# Altium PCB PCB4191.PcbDoc (part 1 of 4)
Units mm, origin at the board's own origin, x right, y up, seen from the top; angles counter-clockwise.
Board outline 160 x 160 mm, 6 copper layers (Top Layer, IM1 RIS, IM2 Signal, IM3 Signal, IM4 GND, Bottom Layer), stack 1.582 mm thick; 143 components, 121 nets, 430 pads, 4983 vias.
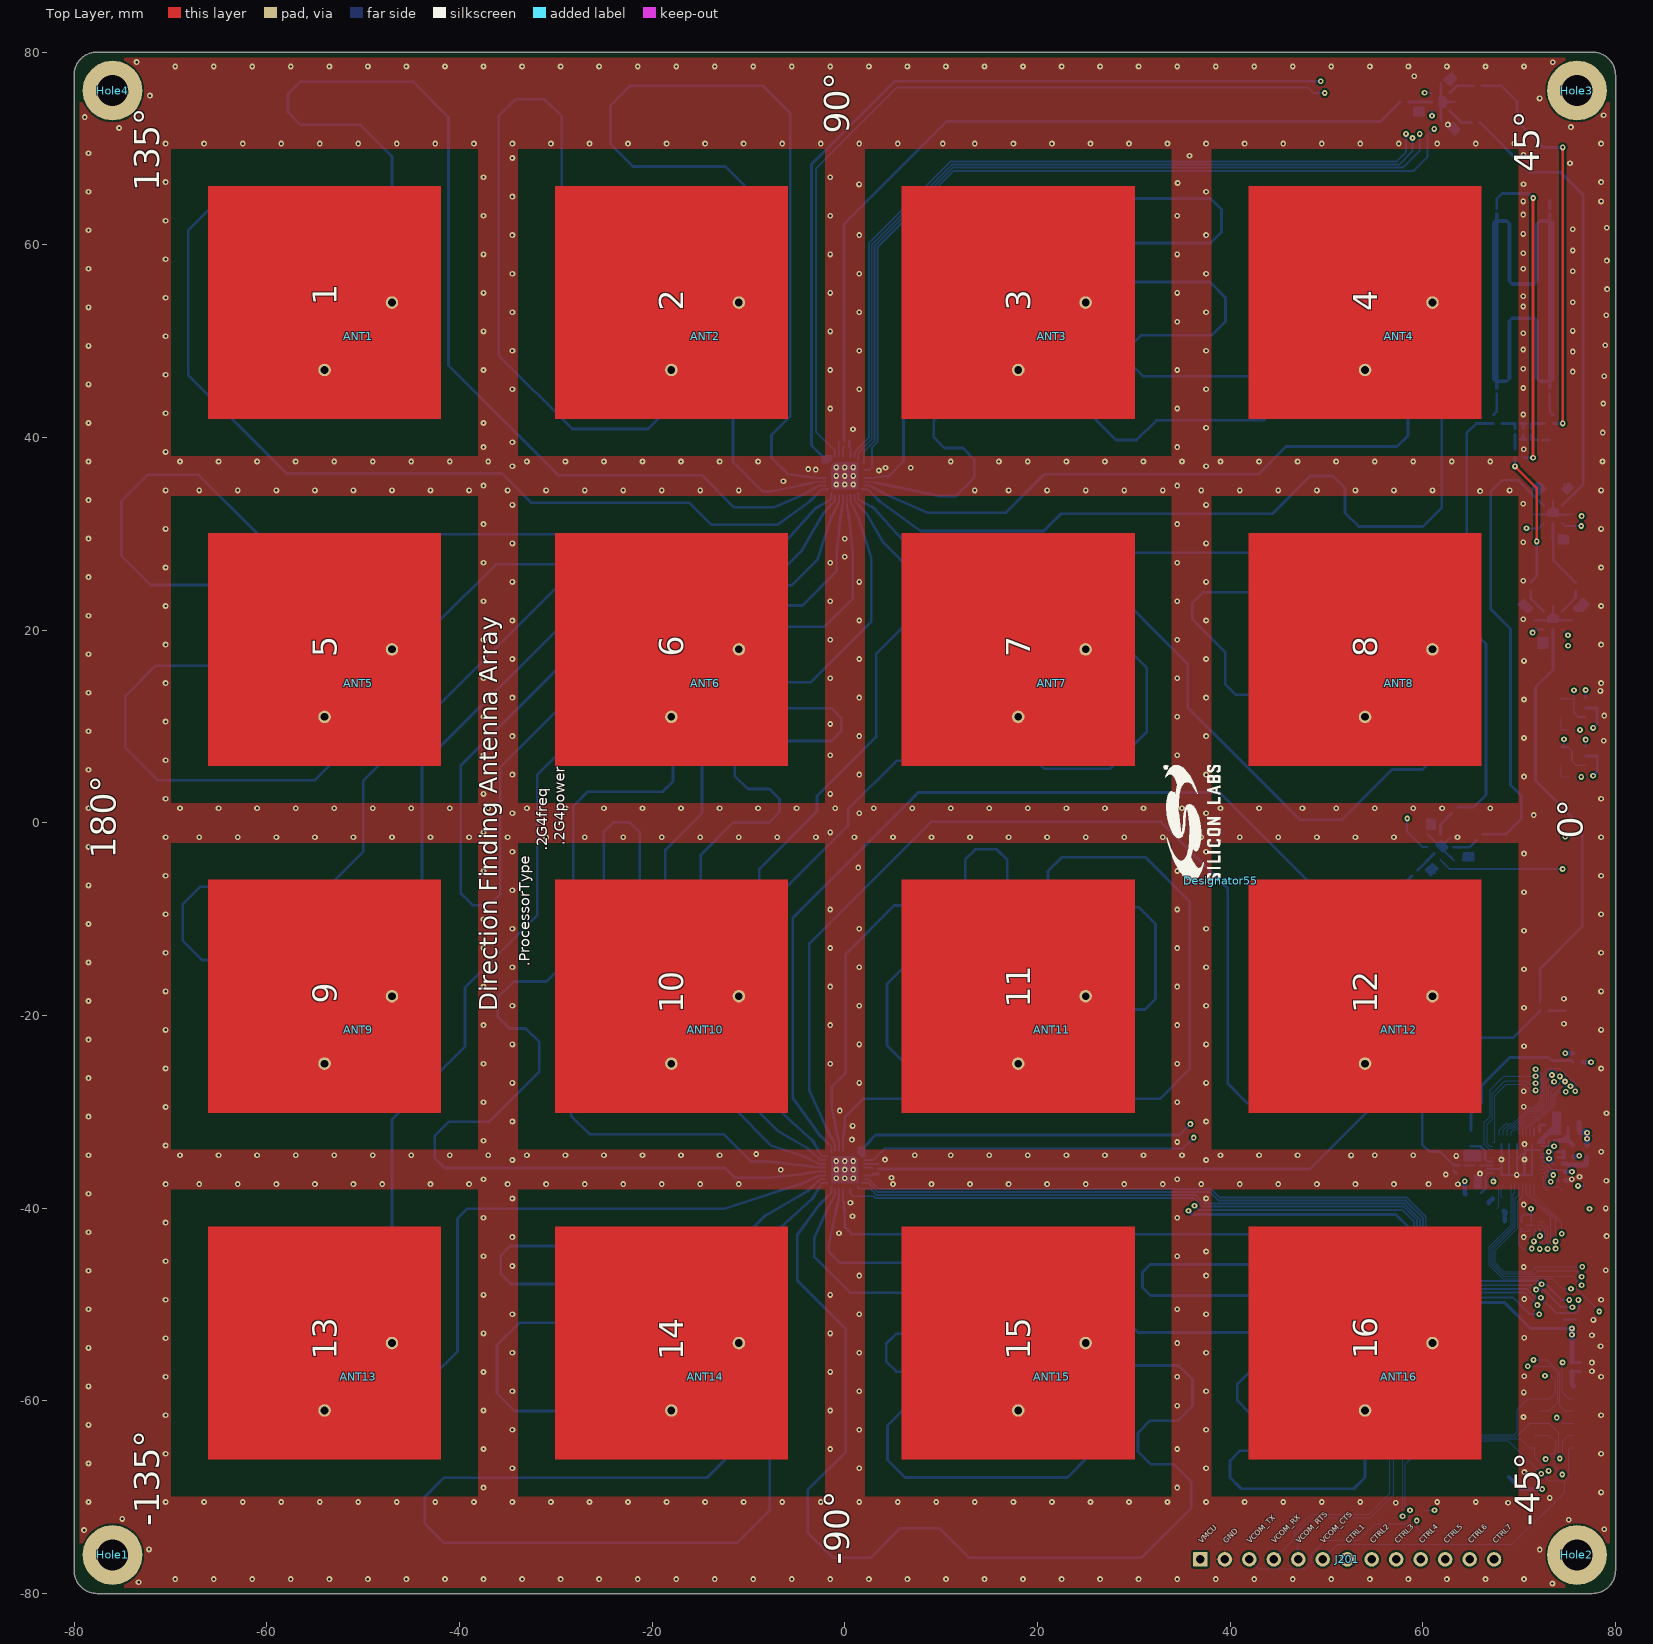
[diagram p0: Top Layer view]
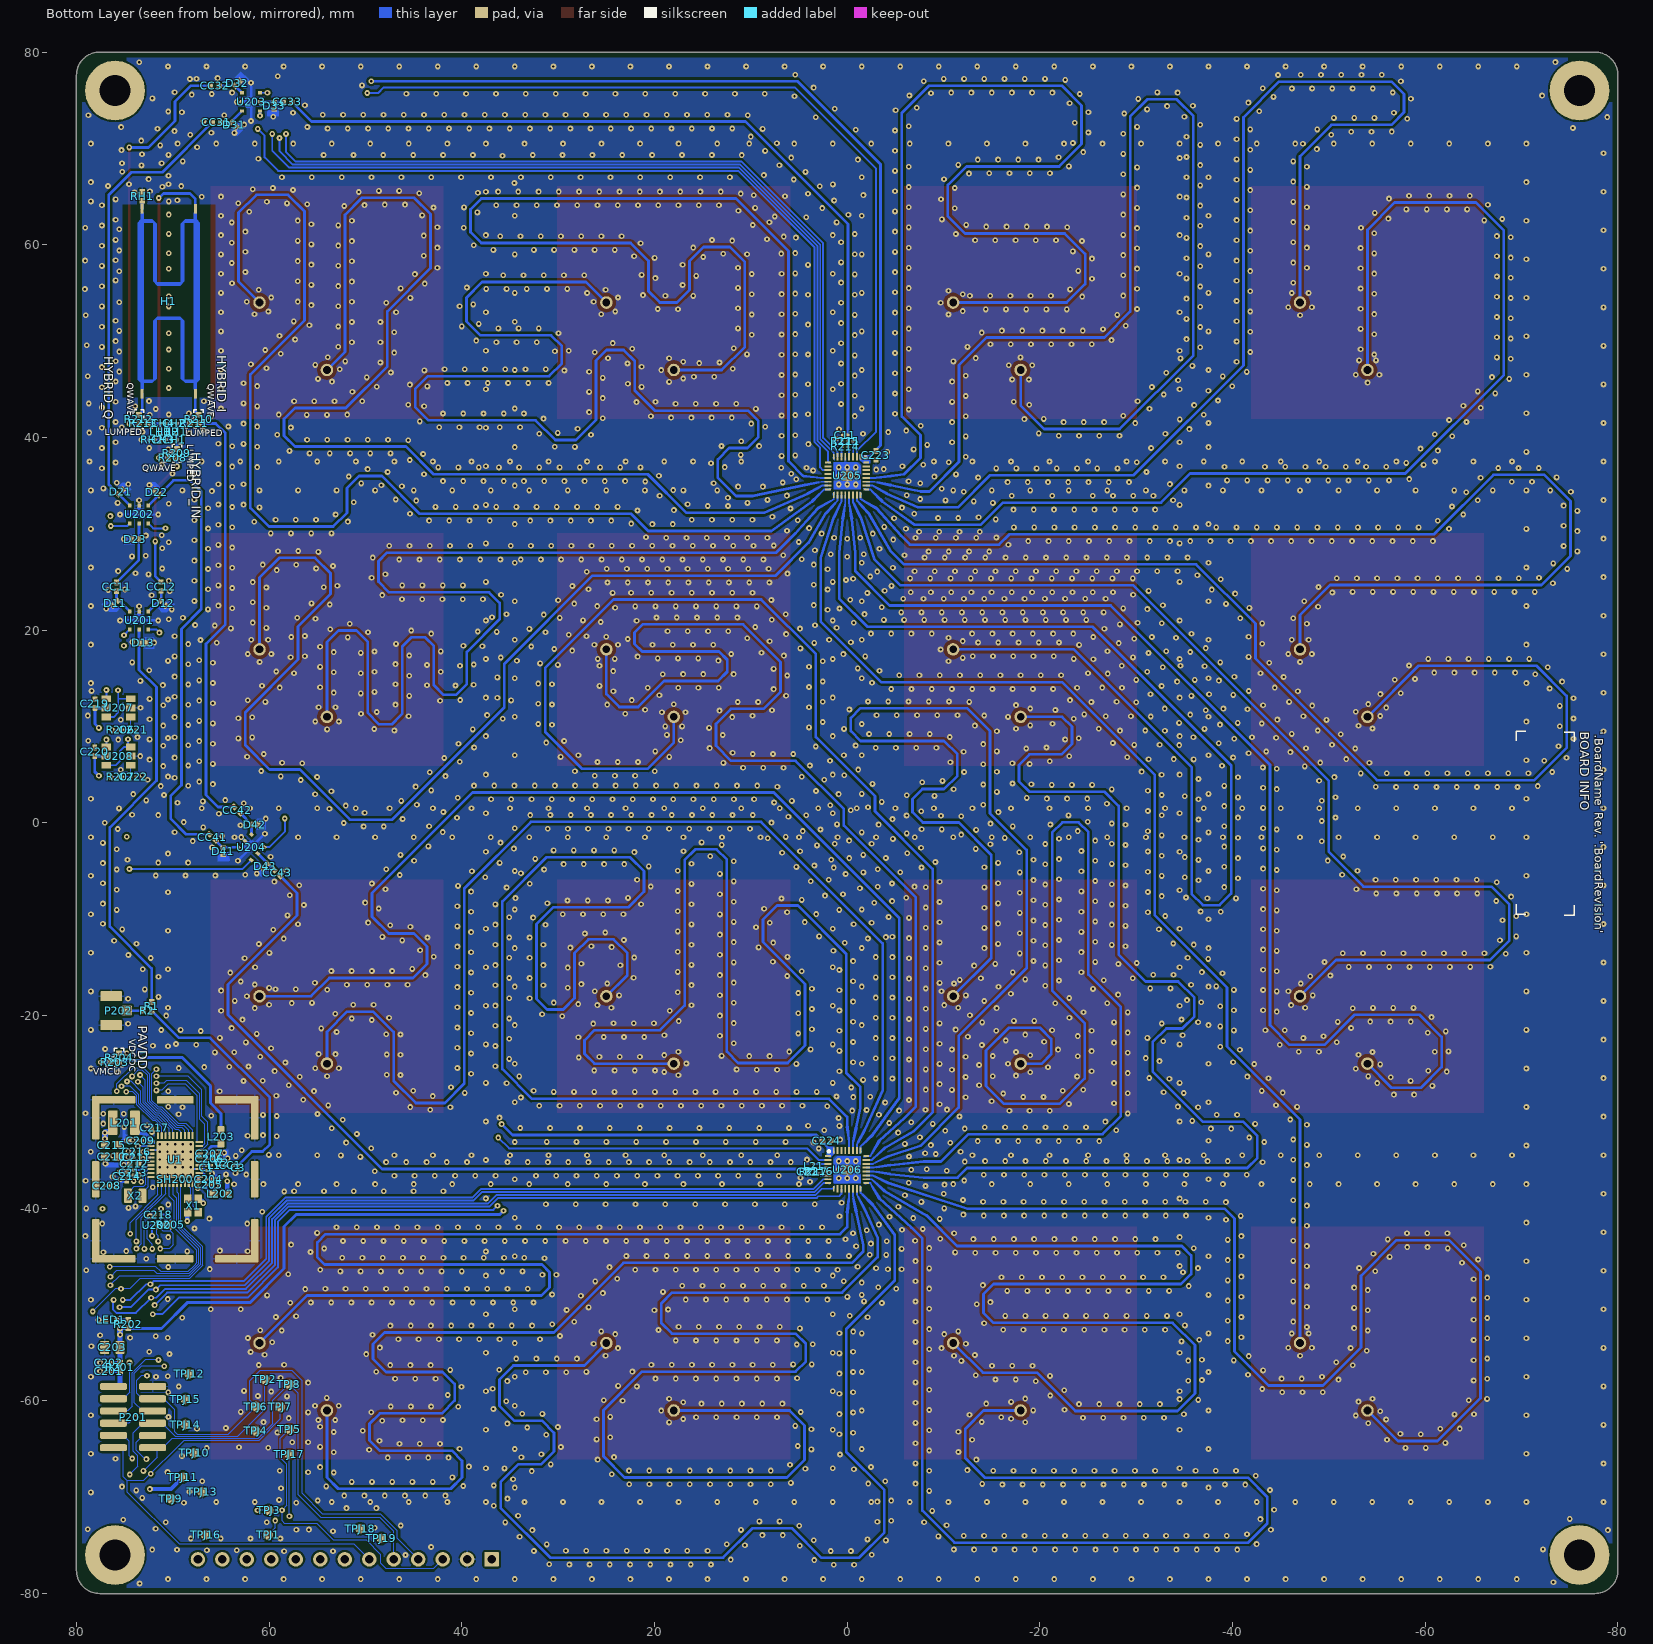
[diagram p1: Bottom Layer view, seen from below]
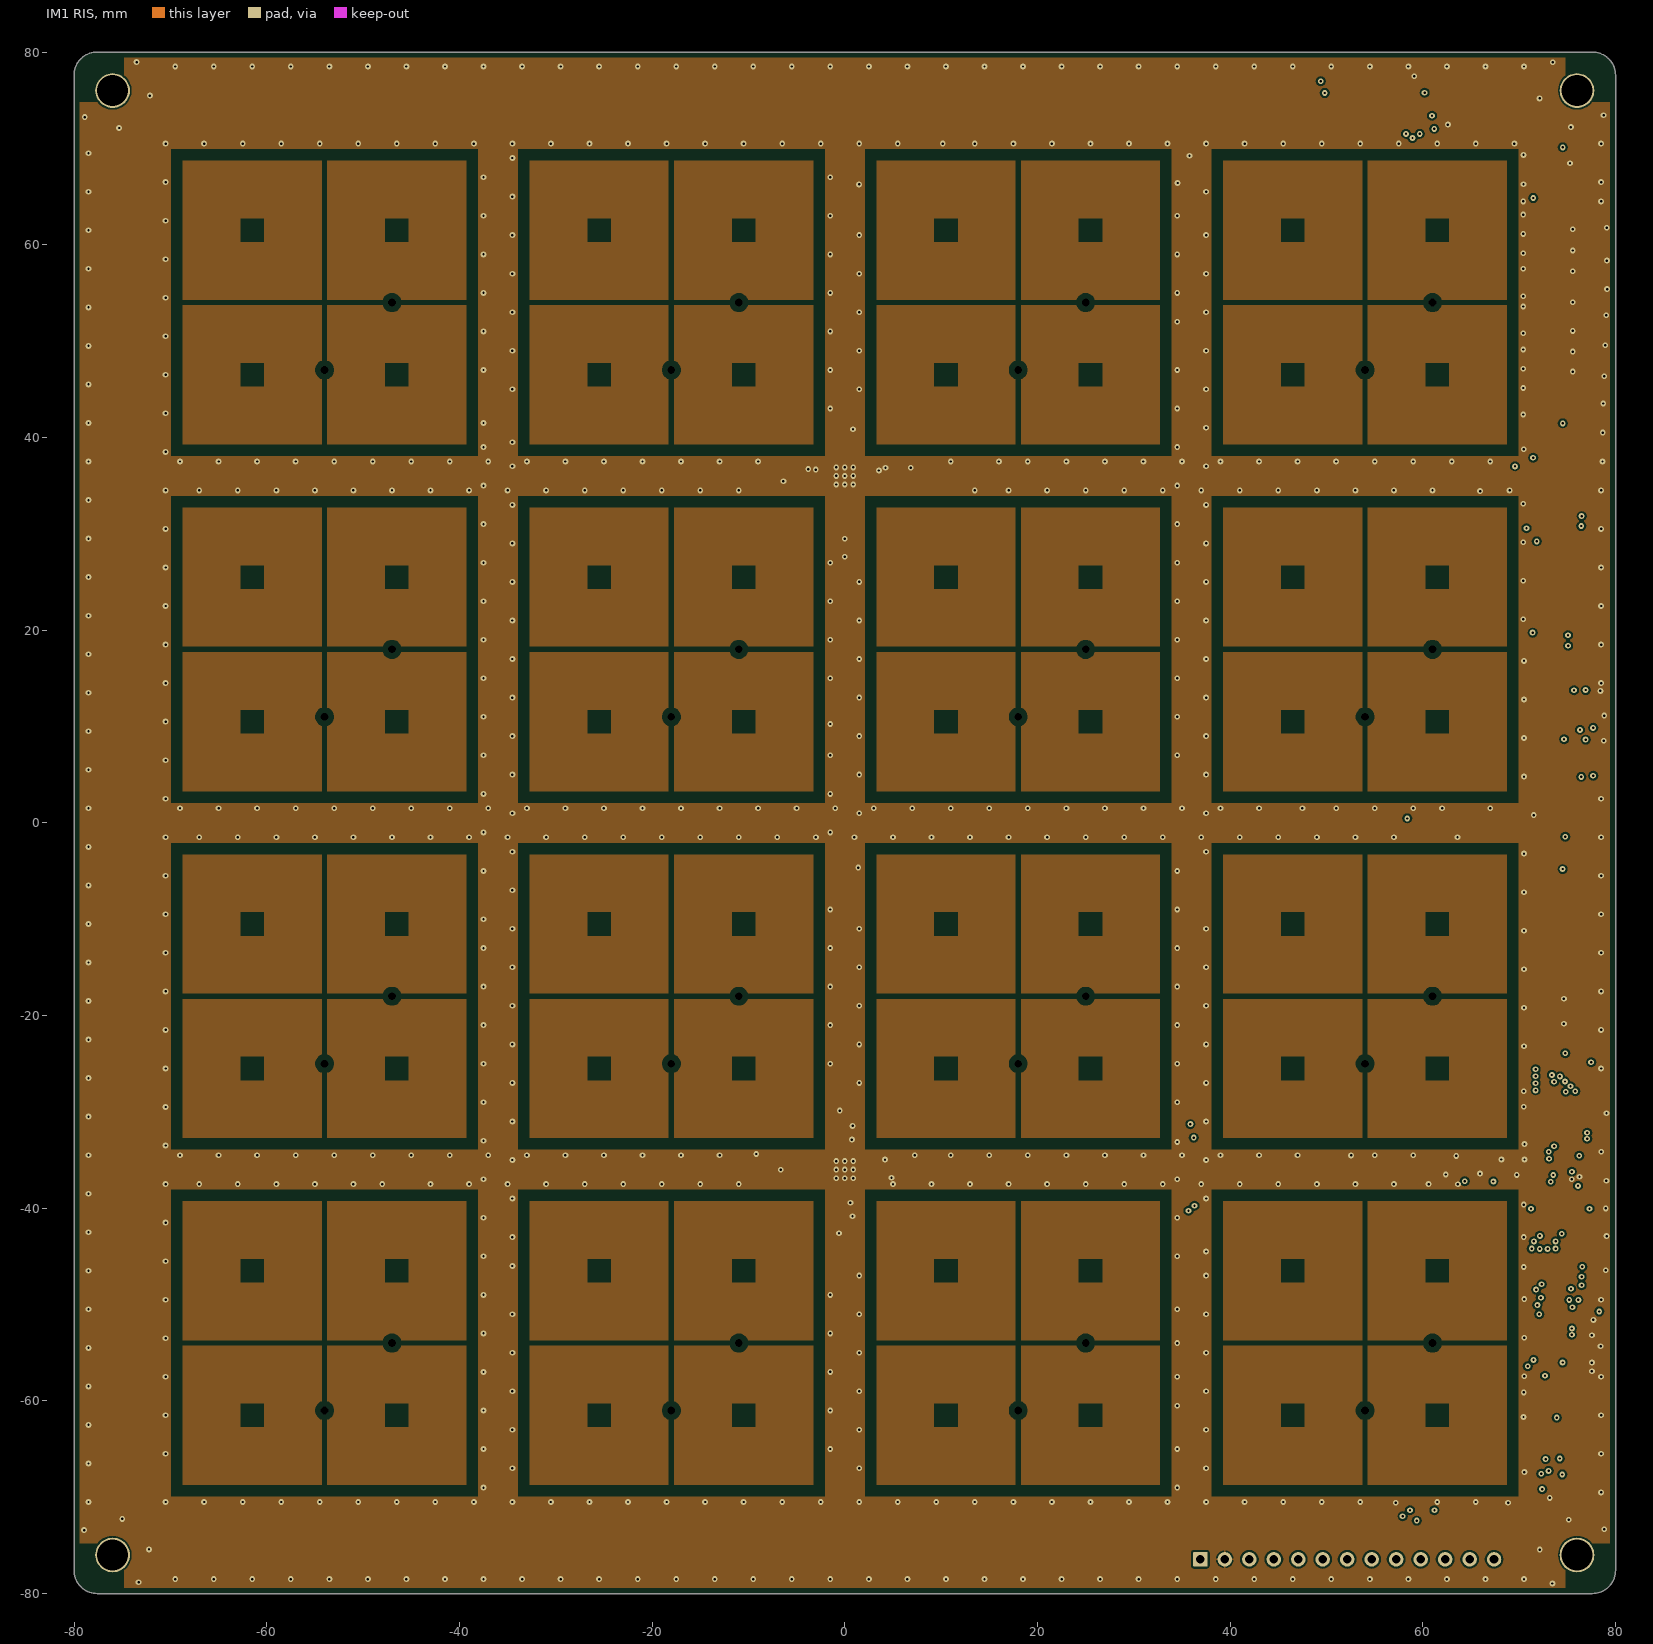
[diagram p2: IM1 RIS]
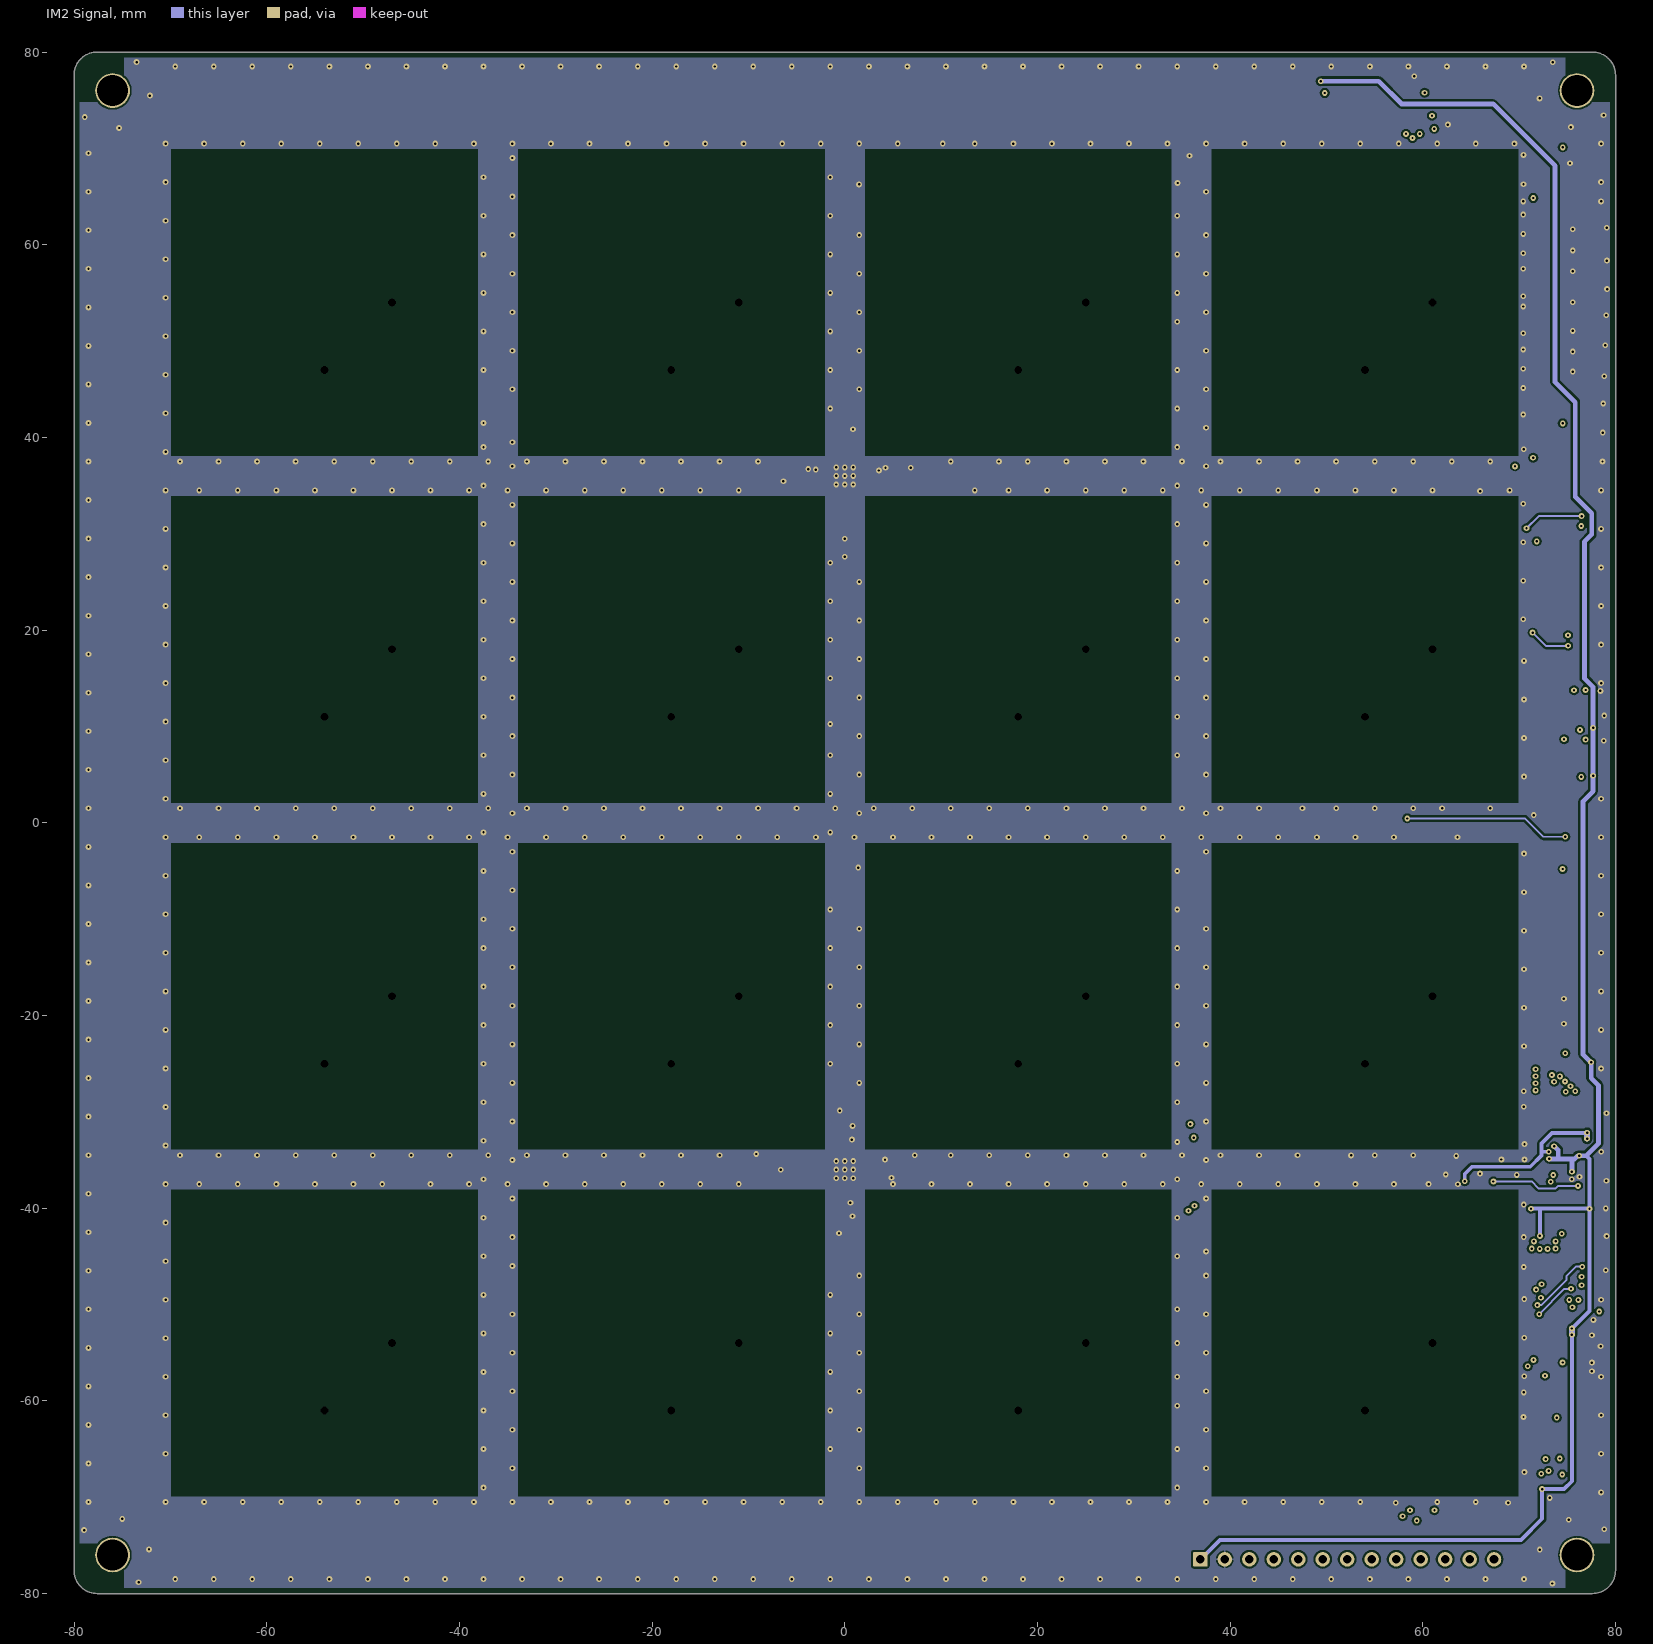
[diagram p3: IM2 Signal]
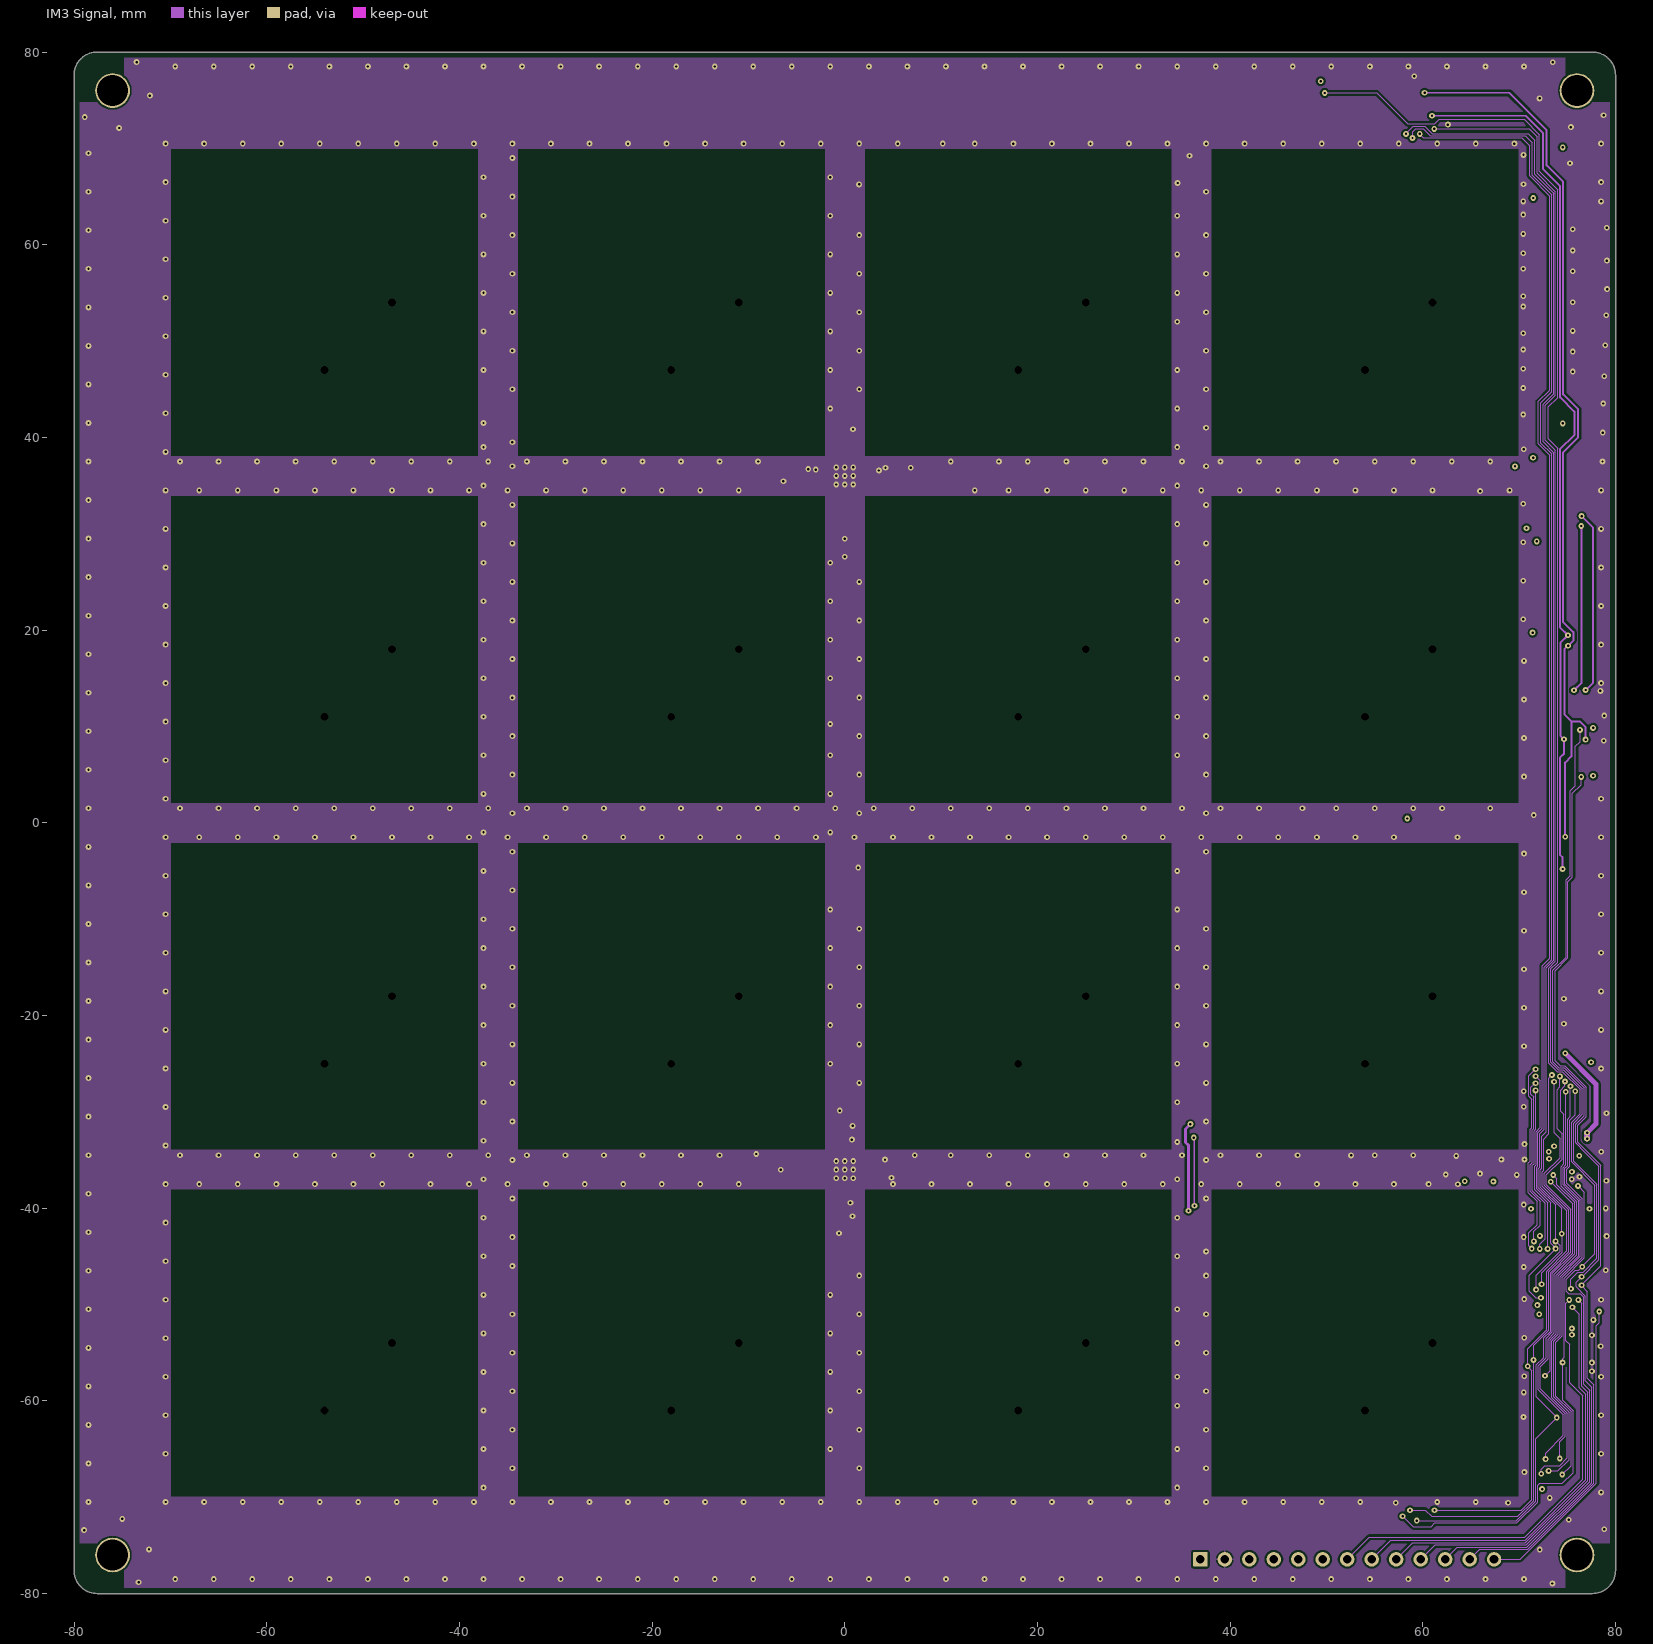
[diagram p4: IM3 Signal]
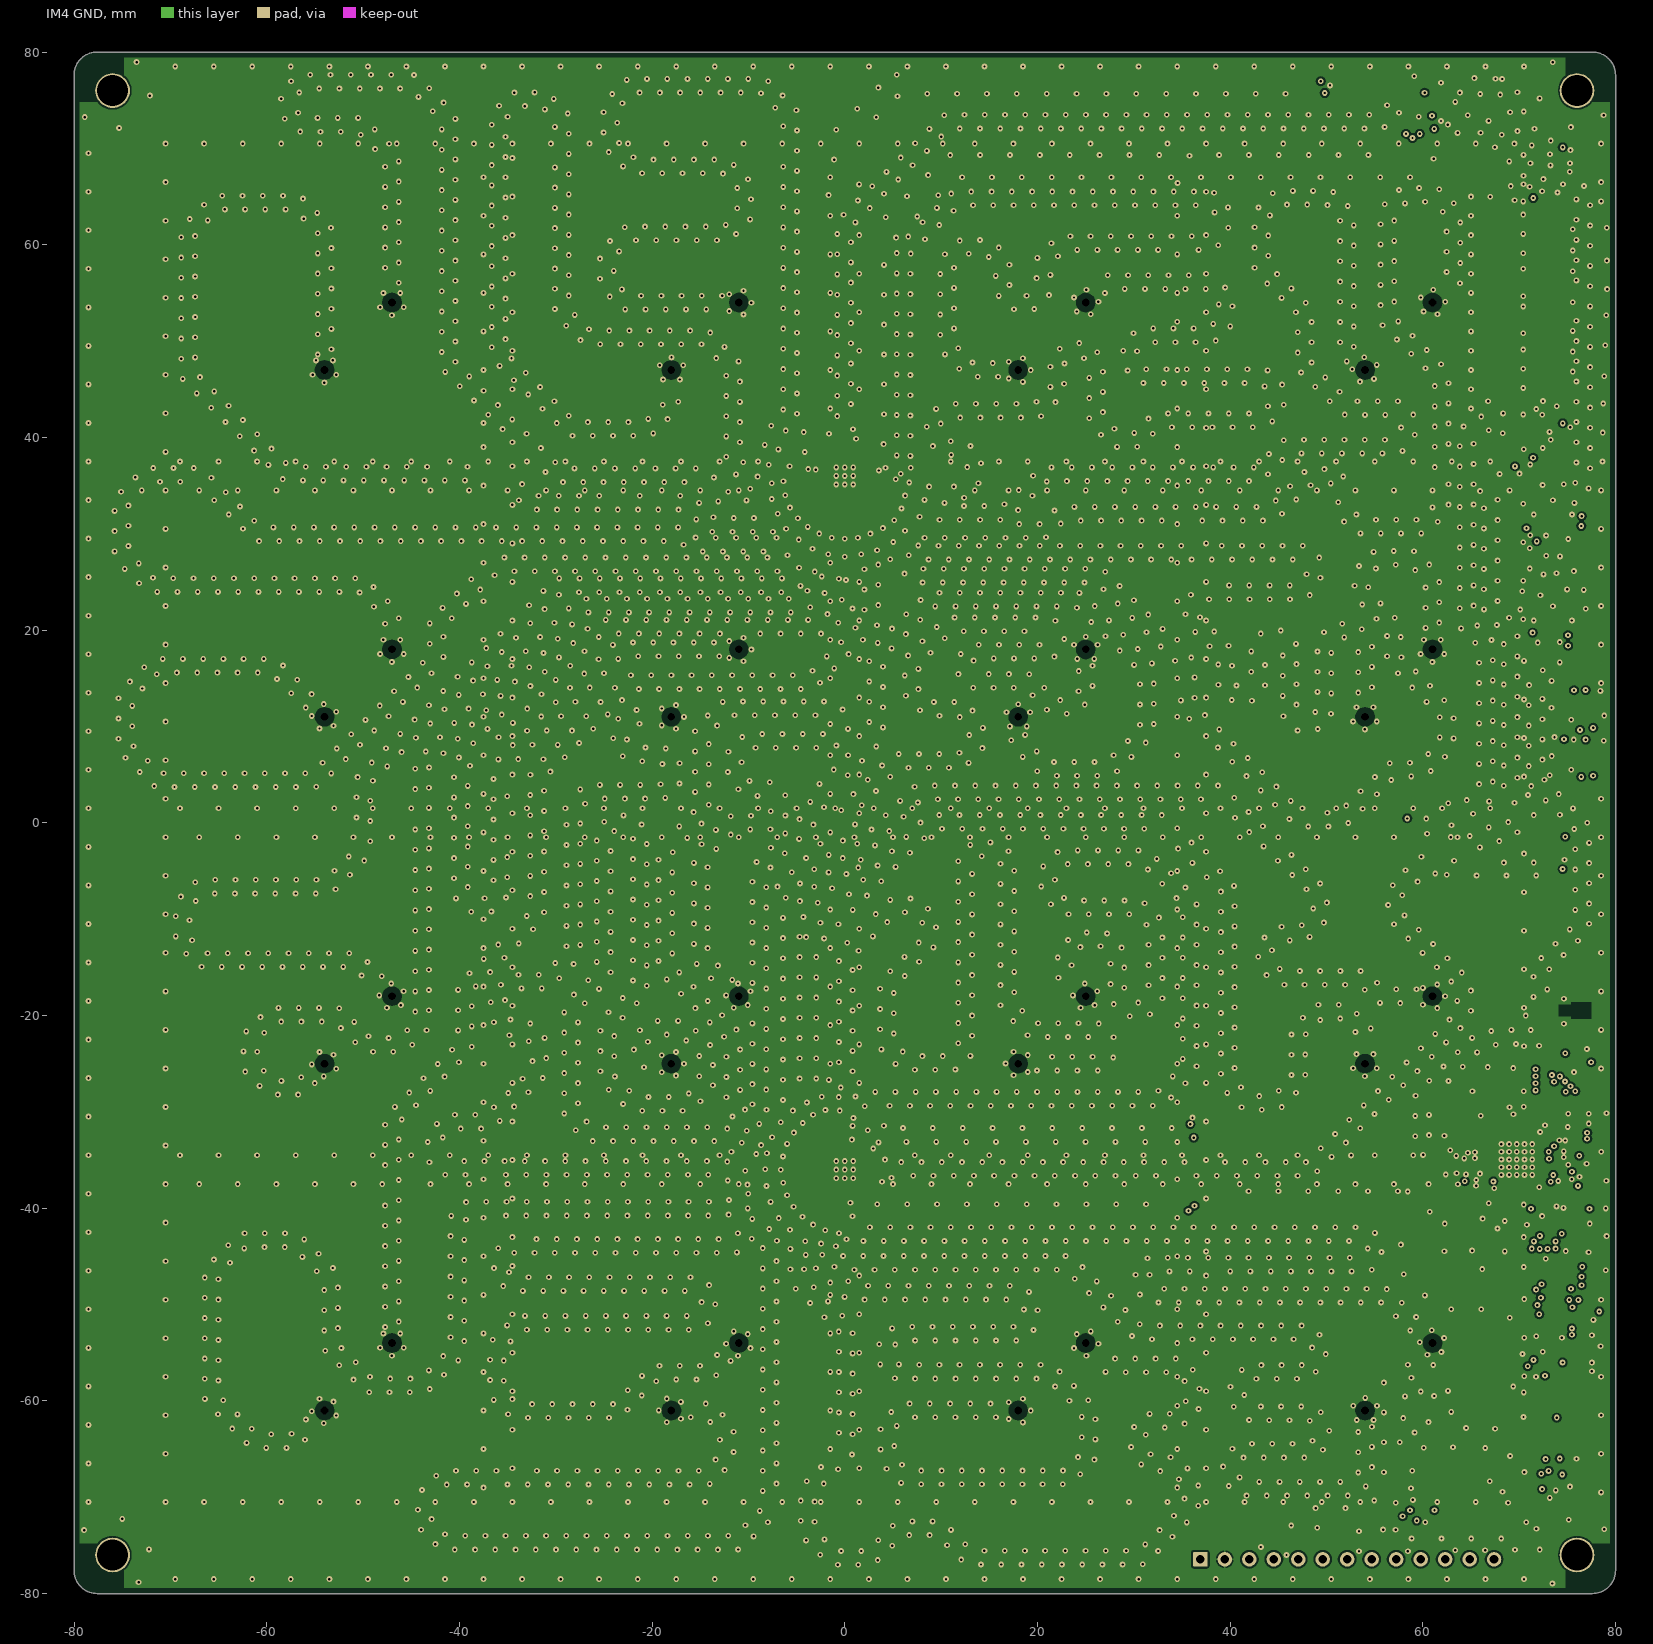
[diagram p5: IM4 GND]

## Layer stack, top to bottom
Top Solder: solder mask 0.0102, Solder Resist, Dk 3.5
Top Layer: signal copper 0.035
Dielectric 1: core 0.2, FR-4, Dk 4.4
IM1 RIS: signal copper 0.018
Dielectric 5: prepreg 0.42, Dk 4.2
IM2 Signal: signal copper 0.018
Dielectric 4: core 0.2, Dk 4.2
IM3 Signal: signal copper 0.018
Dielectric 3: prepreg 0.42, Dk 4.2
IM4 GND: signal copper 0.018
Dielectric 2: core 0.2, Dk 4.2
Bottom Layer: signal copper 0.035
Bottom Solder: solder mask 0.0102, Solder Resist, Dk 3.5

## Board outline
-80,-77.6 -80,77.6 cw(c-77.6,77.6) -77.6,80 77.6,80 cw(c77.6,77.6) 80,77.6 80,-77.6 cw(c77.6,-77.6) 77.6,-80 -77.6,-80 cw(c-77.6,-77.6)

## Design rules (kind name [scope] priority, off if disabled: settings)
AcuteAngle [All] p1: minimum=7.00000000000000E+0001 checktracksonly=FALSE
BoardOutlineClearance [All] p1: gap=0.6
Clearance Clearance_50Ohm [InNet('*ANT_*') vs InNet('GND')] p1: gap=0.2 except(0.23: Track-Poly)
Clearance Clearance_to_Holes [InPadClass('NPTH')] p2: gap=0.254
Clearance Clerance_Polygon [InPolygon] p3: gap=0.2 except(0.23: Track-Poly)
Clearance Clearance_General [All] p4: gap=0.1 except(0.23: Track-Poly)
HoleSize [All] p1: absolutevalues=TRUE maxlimit=5 minlimit=0.025 maxpercent=80.000 minpercent=20.000
HoleToHoleClearance HoleToHoleClearance_ANT1toPAD [Incomponent ('ANT1') vs ISpad] p1: gap=0 allowstackedmicrovias=TRUE
HoleToHoleClearance HoleToHoleClearance_R1toR2_1 [Incomponent ('R1') vs Incomponent ('R2')] p2: gap=0 allowstackedmicrovias=TRUE
HoleToHoleClearance HoleToHoleClearance_U1toVIA_1 [InComponent ('U1') vs IsVia] p3: gap=0 allowstackedmicrovias=TRUE
HoleToHoleClearance [All] p4: gap=0.254 allowstackedmicrovias=TRUE
MinimumSolderMaskSliver [All] p1: minsoldermaskwidth=0.102
PolygonConnect Polygon_VIA_Connect [IsVia] p1: connectstyle=Direct reliefconductorwidth=0.254 reliefentries=4 polygonreliefangle="90 Angle" airgapwidth=0.254
PolygonConnect PolygonConnect_SH100 [InComponent('SH100')] p2: connectstyle=Direct reliefconductorwidth=0.254 reliefentries=4 polygonreliefangle="90 Angle" airgapwidth=0.127
PolygonConnect [All] p3: connectstyle=Relief reliefconductorwidth=0.2 reliefentries=4 polygonreliefangle="90 Angle" airgapwidth=0.15
RoutingVias [All] p1: holewidth=0.3 width=0.65 viastyle="Through Hole" minholewidth=0.25 minwidth=0.5 maxholewidth=1 maxwidth=1.5
ShortCircuit ShortCircuit_Hybrid [InComponent('H1') and InNet('50R_HYBRID_*') vs InComponent('H1') or InNet('50R_HYBRID_*')] p1: allowed=TRUE
ShortCircuit ShortCircuit_Antenna [Incomponent ('ANT*') vs Incomponent ('ANT*')] p2: allowed=TRUE
ShortCircuit [All] p3: allowed=FALSE
SilkToSilkClearance [All] p1: silktosilkclearance=0.102
SilkToSolderMaskClearance [IsPad] p1: minsilkscreentomaskgap=0.102 clearancetoexposedcopper=TRUE
SolderMaskExpansion [All] p1: expansion=0.051
Width 50ohm [InNet('50R*')] p1: maxlimit=0.3 minlimit=0.1 preferedwidth=0.28
Width [All] p2: maxlimit=5.08 minlimit=0.1 preferedwidth=0.125
24 further rules are at their usual default settings.
